# KiCad board Kuniboard.kicad_pcb
title: test; rev: v1.0.0; company: Unknown
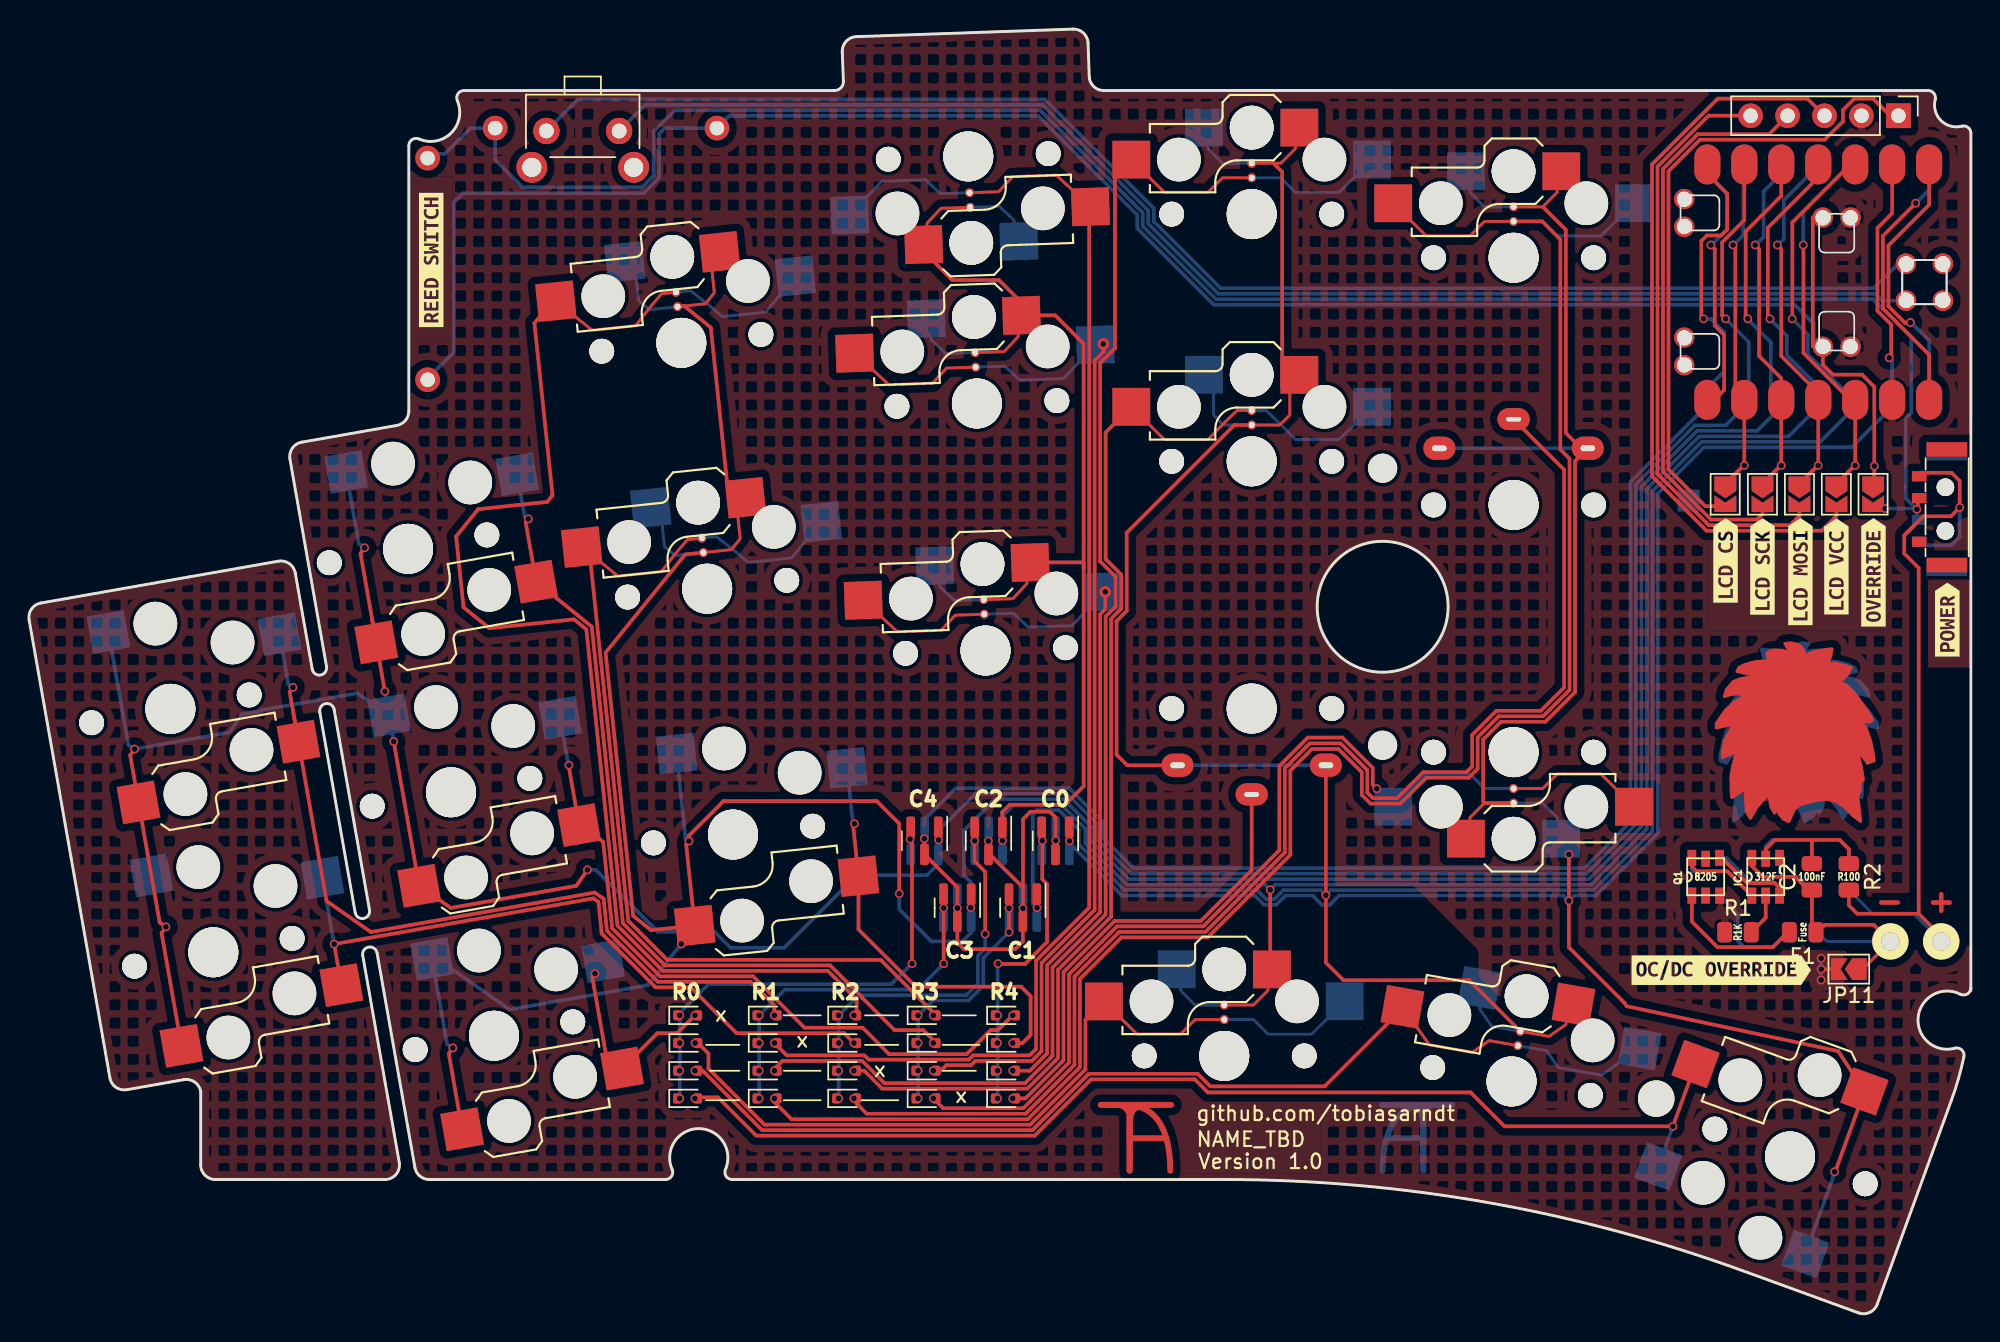
[diagram p0: board, top side]
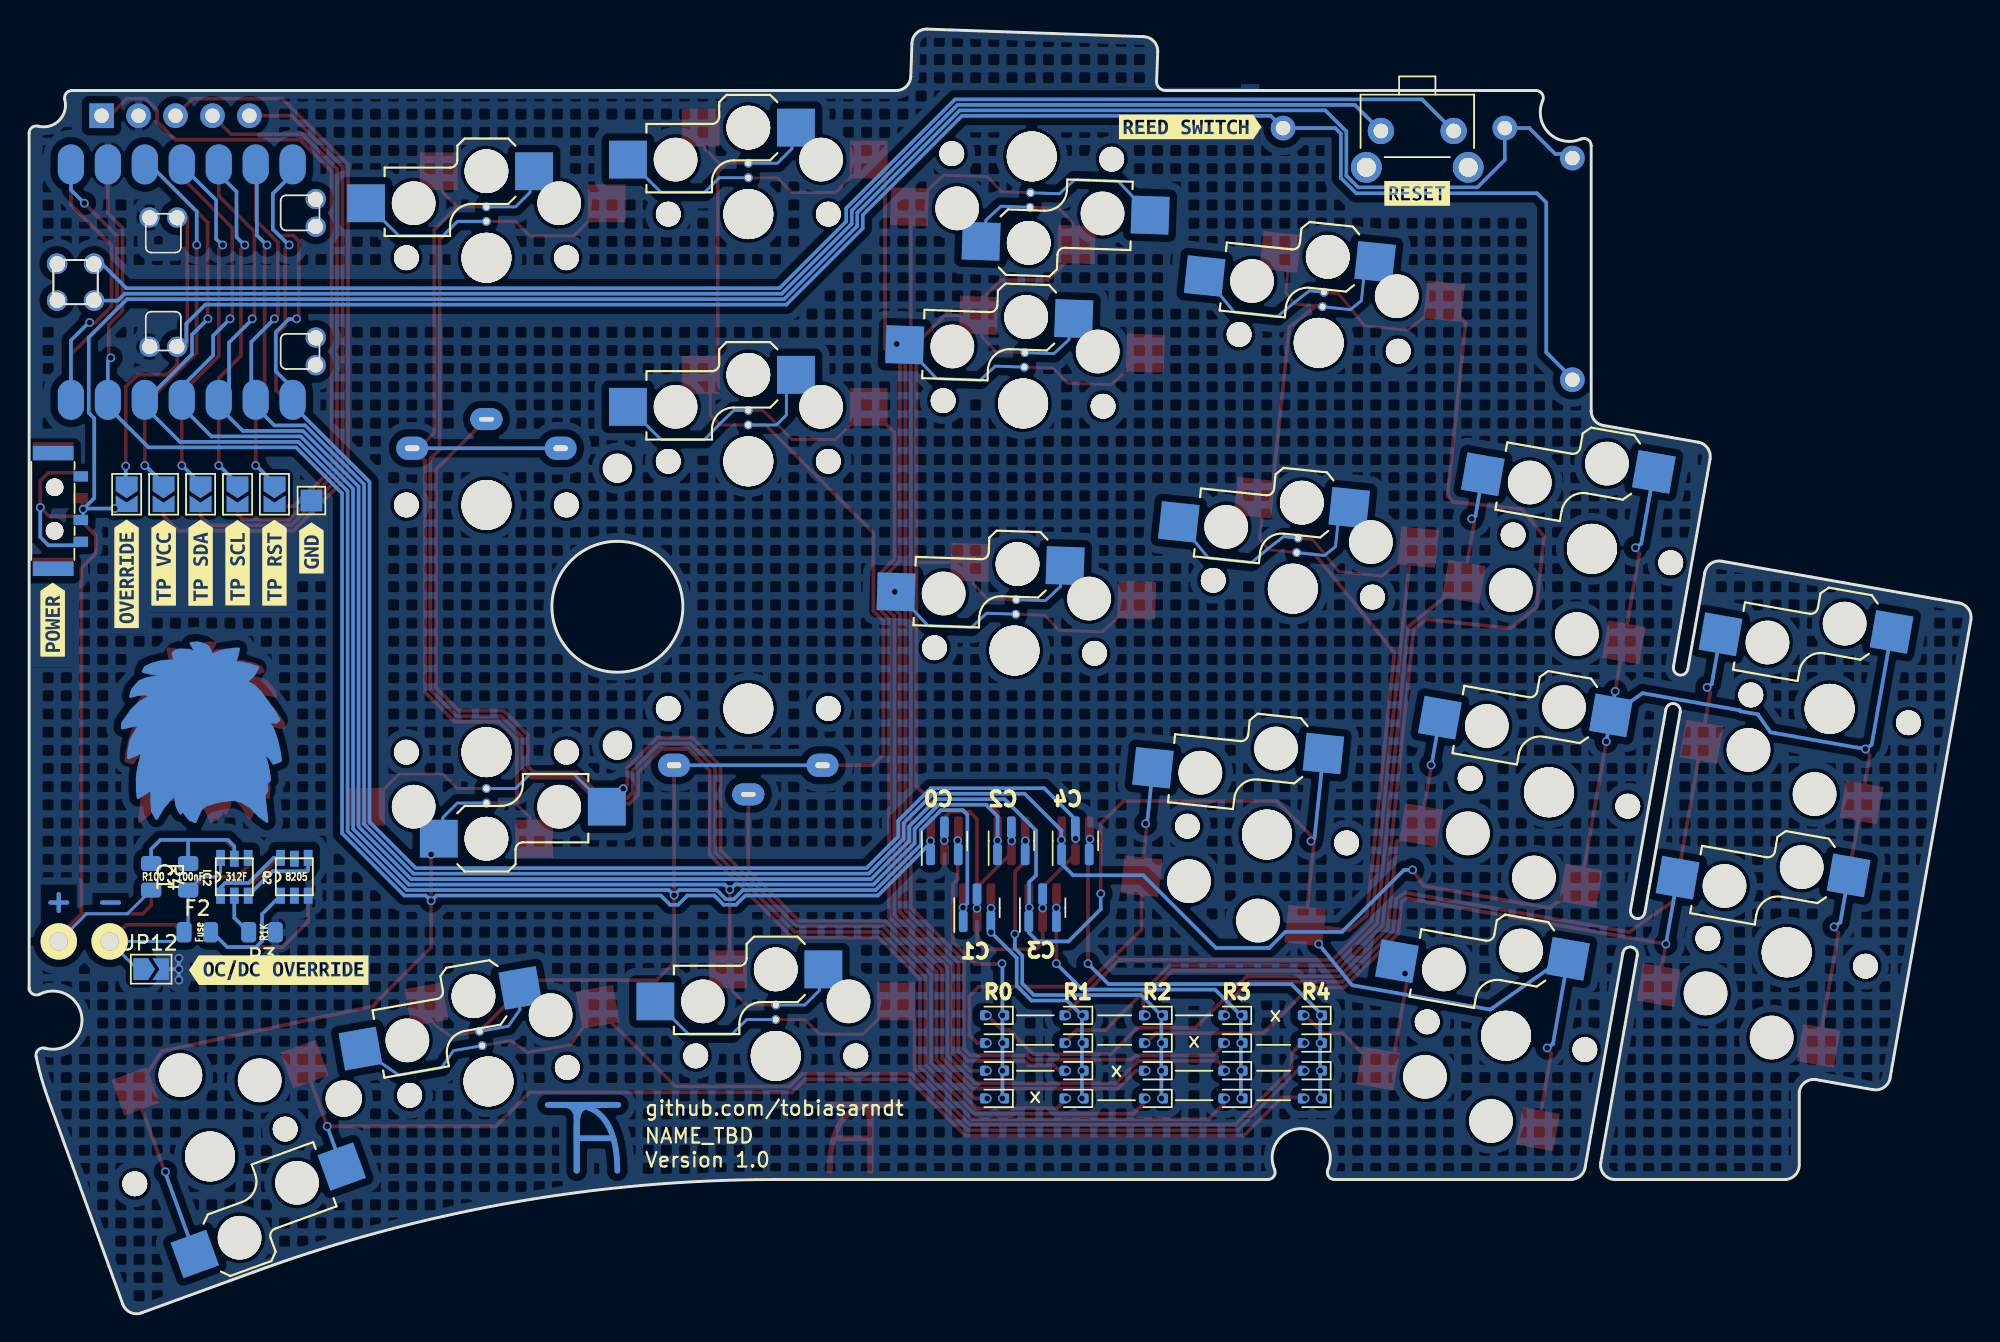
[diagram p1: board, bottom side, seen from below]

Outline 133.46 x 88.29 mm; copper layers: Top, Bottom. Coordinates in mm from the lower left corner of the outline.
Outline path: 93.03,84.06 75.03,84.06 ; 133.46,22.37 arc(133.22,21.94) 132.73,21.92 arc(129.84,20.33) 132.36,18.2 arc(132.84,18.09) 132.98,17.62 arc(132.61,16.13) 132.14,14.66 127.02,0.6 arc(126.51,0.03) 125.74,0 118.12,2.77 arc(100.41,7.56) 82.14,9.17 48.32,9.17 arc(47.9,9.4) 47.86,9.87 arc(46.03,12.67) 44.2,9.87 arc(44.16,9.4) 43.74,9.17 27.5,9.17 arc(26.86,9.41) 26.52,10 23.92,24.75 arc(23.34,25.16) 22.93,24.58 25.44,10.35 arc(25.22,9.53) 24.46,9.17 12.8,9.17 arc(12.09,9.47) 11.8,10.17 11.8,15.23 arc(11.39,15.88) 10.64,16.04 6.71,15.35 arc(5.97,15.52) 5.55,16.16 0,47.66 arc(0.17,48.41) 0.81,48.82 17.13,51.7 arc(17.88,51.53) 18.29,50.89 19.46,44.27 arc(20.04,43.87) 20.44,44.45 17.93,58.72 arc(18.09,59.47) 18.74,59.88 25.27,61.03 arc(25.86,61.37) 26.1,62.02 26.1,80.27 arc(26.32,80.69) 26.8,80.73 arc(29.01,81.15) 29.43,83.36 arc(29.47,83.83) 29.89,84.06 55.36,84.06 arc(55.8,84.25) 55.97,84.69 55.89,86.73 arc(56.16,87.45) 56.85,87.77 71.75,88.29 arc(72.47,88.02) 72.78,87.32 72.86,85.03 arc(73.17,84.34) 73.86,84.06 93.53,84.06 130.53,84.06 arc(130.92,83.87) 131.01,83.44 arc(131.4,82) 132.84,81.61 arc(133.27,81.52) 133.46,81.12 133.46,22.18 ; 19.98,41.32 22.41,27.53 arc(22.99,27.13) 23.4,27.71 20.96,41.49 arc(20.39,41.9) 19.98,41.32
Stack: Top 0.035mm / dielectric 1.51mm FR4 er 4.5 / Bottom 0.035mm

## Placement (name value [footprint] x y rotation side)
BAT+1  +  [BatteryPad]  131.42 25.55 270 top
BATGND1  -  [BatteryPad]  127.93 25.55 270 top
C1  100nF  [0805_plain]  122.53 29.99 90 bottom
C2  100nF  [0805_plain]  122.53 29.99 90 top
D1  1N4148W  [D_SOD-523]  61.64 14.75 0 top
D2  1N4148W  [D_SOD-523]  56.18 14.75 0 top
D3  1N4148W  [D_SOD-523]  50.72 14.75 0 top
D4  1N4148W  [D_SOD-523]  67.1 14.75 0 top
D5  1N4148W  [D_SOD-523]  56.18 16.66 0 top
D6  1N4148W  [D_SOD-523]  50.72 16.66 0 top
D7  1N4148W  [D_SOD-523]  67.1 16.66 0 top
D8  1N4148W  [D_SOD-523]  61.64 16.66 0 top
D9  1N4148W  [D_SOD-523]  50.72 18.56 0 top
D10  1N4148W  [D_SOD-523]  67.1 18.56 0 top
D11  1N4148W  [D_SOD-523]  61.64 20.47 0 top
D12  1N4148W  [D_SOD-523]  56.18 20.47 0 top
D13  1N4148W  [D_SOD-523]  45.26 20.47 0 top
D14  1N4148W  [D_SOD-523]  67.1 20.47 0 top
D15  1N4148W  [D_SOD-523]  61.64 18.56 0 top
D16  1N4148W  [D_SOD-523]  56.18 18.56 0 top
D17  1N4148W  [D_SOD-523]  50.72 20.47 0 top
D18  1N4148W  [D_SOD-523]  45.26 14.75 0 top
D19  1N4148W  [D_SOD-523]  45.26 16.66 0 top
D20  1N4148W  [D_SOD-523]  45.27 18.56 0 top
D21  BAT54A  [SOT-23]  70.55 32.47 90 bottom
D22  1N4148W  [D_SOD-523]  61.64 14.75 0 bottom
D23  1N4148W  [D_SOD-523]  56.18 14.75 0 bottom
D24  1N4148W  [D_SOD-523]  50.72 14.75 0 bottom
D25  1N4148W  [D_SOD-523]  67.1 14.75 0 bottom
D26  BAT54A  [SOT-23]  68.31 27.87 90 bottom
D27  1N4148W  [D_SOD-523]  56.18 16.66 0 bottom
D28  1N4148W  [D_SOD-523]  50.72 16.66 0 bottom
D29  1N4148W  [D_SOD-523]  67.1 16.66 0 bottom
D30  1N4148W  [D_SOD-523]  61.64 16.66 0 bottom
D31  BAT54A  [SOT-23]  65.95 32.47 90 bottom
D32  1N4148W  [D_SOD-523]  50.72 18.56 0 bottom
D33  1N4148W  [D_SOD-523]  67.1 18.56 0 bottom
D34  1N4148W  [D_SOD-523]  61.64 20.47 0 bottom
D35  1N4148W  [D_SOD-523]  56.18 20.47 0 bottom
D36  BAT54A  [SOT-23]  63.8 27.87 90 bottom
D37  1N4148W  [D_SOD-523]  45.26 20.47 0 bottom
D38  1N4148W  [D_SOD-523]  67.1 20.47 0 bottom
D39  1N4148W  [D_SOD-523]  61.64 18.56 0 bottom
D40  1N4148W  [D_SOD-523]  56.18 18.56 0 bottom
D41  1N4148W  [D_SOD-523]  50.72 20.47 0 bottom
D42  BAT54A  [SOT-23]  61.55 32.47 90 bottom
D43  1N4148W  [D_SOD-523]  45.26 14.75 0 bottom
D44  1N4148W  [D_SOD-523]  45.26 16.66 0 bottom
D45  1N4148W  [D_SOD-523]  45.27 18.56 0 bottom
D61  BAT54A  [SOT-23]  70.54 32.47 270 top
D62  BAT54A  [SOT-23]  68.3 27.87 270 top
D63  BAT54A  [SOT-23]  65.94 32.47 270 top
D64  BAT54A  [SOT-23]  63.8 27.87 270 top
D65  BAT54A  [SOT-23]  61.54 32.47 270 top
F1  Polyfuse_Small  [0805_plain]  121.9 26.18 180 top
F2  Polyfuse_Small  [0805_plain]  121.9 26.18 180 bottom
IC1  FS312F-G  [SOT23-6]  119.36 29.99 90 top
IC2  FS312F-G  [SOT23-6]  119.36 29.99 90 bottom
J1  Conn_01x05_Pin  [nice!view]  128.48 82.33 270 top
JP1  Jumper_2_Open  [SolderJumper-2_P1.3mm_Open_TrianglePad1.0x1.5mm]  124.22 56.29 270 top
JP2  Jumper_2_Open  [SolderJumper-2_P1.3mm_Open_TrianglePad1.0x1.5mm]  121.68 56.29 270 top
JP3  Jumper_2_Open  [SolderJumper-2_P1.3mm_Open_TrianglePad1.0x1.5mm]  119.14 56.29 270 top
JP4  Jumper_2_Open  [SolderJumper-2_P1.3mm_Open_TrianglePad1.0x1.5mm]  116.58 56.29 270 top
JP5  Jumper_2_Open  [SolderJumper-2_P1.3mm_Open_TrianglePad1.0x1.5mm]  124.22 56.29 270 bottom
JP6  Jumper_2_Open  [SolderJumper-2_P1.3mm_Open_TrianglePad1.0x1.5mm]  121.68 56.29 270 bottom
JP7  Jumper_2_Open  [SolderJumper-2_P1.3mm_Open_TrianglePad1.0x1.5mm]  119.14 56.29 270 bottom
JP8  Jumper_2_Open  [SolderJumper-2_P1.3mm_Open_TrianglePad1.0x1.5mm]  116.6 56.29 270 bottom
JP9  Jumper_2_Open  [SolderJumper-2_P1.3mm_Open_TrianglePad1.0x1.5mm]  126.74 56.29 270 top
JP10  Jumper_2_Open  [SolderJumper-2_P1.3mm_Open_TrianglePad1.0x1.5mm]  126.76 56.29 270 bottom
JP11  Jumper_2_Open  [SolderJumper-2_P1.3mm_Open_TrianglePad1.0x1.5mm]  125.07 23.64 180 top
JP12  Jumper_2_Open  [SolderJumper-2_P1.3mm_Open_TrianglePad1.0x1.5mm]  125.07 23.64 180 bottom
kibuzzard-655A10F5  G***  [kibuzzard-655A10F5]  124.22 51.34 90 top
kibuzzard-655A11C9  G***  [kibuzzard-655A11C9]  131.84 47.68 90 top
kibuzzard-655A11C9#2  G***  [kibuzzard-655A11C9]  131.84 47.68 90 bottom
kibuzzard-655A11F0  G***  [kibuzzard-655A11F0]  126.76 50.83 90 bottom
kibuzzard-655A12A3  G***  [kibuzzard-655A12A3]  38.05 76.99 180 bottom
kibuzzard-655A12A3#2  G***  [kibuzzard-655A12A3]  38.05 76.99 180 bottom
kibuzzard-655A12CE  G***  [kibuzzard-655A12CE]  27.64 72.41 90 top
kibuzzard-655A110A  G***  [kibuzzard-655A110A]  126.76 50.93 90 top
kibuzzard-655A116B  G***  [kibuzzard-655A116B]  119.14 51.34 90 top
kibuzzard-655A1139  G***  [kibuzzard-655A1139]  121.74 50.98 90 top
kibuzzard-655A1191  G***  [kibuzzard-655A1191]  116.6 51.74 90 top
kibuzzard-655A1214  G***  [kibuzzard-655A1214]  124.22 51.59 90 bottom
kibuzzard-655A1236  G***  [kibuzzard-655A1236]  121.68 51.59 90 bottom
kibuzzard-655A1245  G***  [kibuzzard-655A1245]  119.14 51.59 90 bottom
kibuzzard-655A1252  G***  [kibuzzard-655A1252]  116.6 51.59 90 bottom
kibuzzard-655A1263  G***  [kibuzzard-655A1263]  114.05 52.61 90 bottom
kibuzzard-655A1295  G***  [kibuzzard-655A1295]  53.66 81.55 180 bottom
kibuzzard-6562143D  G***  [kibuzzard-6562143D]  116.31 23.57 180 bottom
kibuzzard-65621300  G***  [kibuzzard-65621300]  116.31 23.57 0 top
NOREF  -  [unnamed]  111.84 14.74 0 top
PSW1  SW_SPDT  [MSK12C02]  131.71 55.28 180 top
PSW2  SW_SPDT  [MSK12C02]  131.71 55.28 180 bottom
Q1  FS8205  [SOT23-6]  115.23 29.99 90 top
Q2  FS8205  [SOT23-6]  115.23 29.99 90 bottom
R1  1k  [0805_plain]  117.45 26.18 0 top
R2  100  [0805_plain]  125.07 29.99 270 top
R3  1k  [0805_plain]  117.45 26.18 0 bottom
R4  100  [0805_plain]  125.07 29.99 270 bottom
REF**  -  [Logo]  73.65 9.78 0 top
REF**#2  -  [Kunibert]  115.55 33.11 0 top
REF**#3  -  [trackpoint]  93.03 48.56 0 bottom
REF**#4  -  [Kunibert]  127.45 33.11 180 bottom
REF**#5  -  [Logo]  97.82 9.78 180 bottom
RSW1  SW_Push  [SKHLLCA010]  38.05 80.03 0 top
RSW2  SW_Push  [SKHLLCA010]  38.05 80.03 180 bottom
SW1  SW_Push_45deg  [Kailh_socket_PG1350_optional_connected]  102.03 38.56 0 bottom
SW2  ~  [Choc_handsolder]  102.03 55.56 180 bottom
SW3  ~  [Kailh_socket_PG1350_optional_connected]  102.03 72.56 180 bottom
SW4  SW_Push_45deg  [Choc_handsolder]  84.03 41.56 0 bottom
SW5  SW_Push_45deg  [Kailh_socket_PG1350_optional_connected_reverse]  84.03 58.56 180 bottom
SW6  SW_Push_45deg  [Kailh_socket_PG1350_optional_connected]  84.03 75.56 180 bottom
SW7  SW_Push_45deg  [Kailh_socket_PG1350_optional_connected]  65.74 45.55 182 bottom
SW8  SW_Push_45deg  [Kailh_socket_PG1350_optional_connected]  65.14 62.54 182 bottom
SW9  SW_Push_45deg  [Kailh_socket_PG1350_optional_connected]  64.55 79.53 2 bottom
SW10  SW_Push_45deg  [Kailh_socket_PG1350_optional]  48.38 32.9 6 bottom
SW11  SW_Push_45deg  [Kailh_socket_PG1350_optional_connected_reverse]  46.6 49.8 186 bottom
SW12  SW_Push_45deg  [Kailh_socket_PG1350_optional_connected_reverse]  44.83 66.71 186 bottom
SW13  SW_Push_45deg  [Kailh_socket_PG1350_optional]  31.95 19.06 10 bottom
SW14  SW_Push_45deg  [Kailh_socket_PG1350_optional]  29 35.8 10 bottom
SW15  SW_Push_45deg  [Kailh_socket_PG1350_optional]  26.05 52.54 10 bottom
SW16  SW_Push_45deg  [Kailh_socket_PG1350_optional]  12.66 24.8 10 bottom
SW17  SW_Push_45deg  [Kailh_socket_PG1350_optional]  9.71 41.54 10 bottom
SW18  SW_Push_45deg  [Kailh_socket_PG1350_optional]  121.03 10.76 160 bottom
SW19  SW_Push_45deg  [Kailh_socket_PG1350_optional_connected]  101.89 15.92 170 bottom
SW20  SW_Push_45deg  [Kailh_socket_PG1350_optional_connected]  82.14 17.67 180 bottom
SW21  ~  [Kailh_socket_PG1350_optional_connected]  102.03 38.56 180 top
SW22  ~  [Choc_handsolder]  102.03 55.56 0 top
SW23  ~  [Kailh_socket_PG1350_optional_connected]  102.03 72.56 0 top
SW24  SW_Push_45deg  [Choc_handsolder]  84.03 41.56 180 top
SW25  SW_Push_45deg  [Kailh_socket_PG1350_optional_connected_reverse]  84.03 58.56 0 top
SW26  SW_Push_45deg  [Kailh_socket_PG1350_optional_connected]  84.03 75.56 0 top
SW27  SW_Push_45deg  [Kailh_socket_PG1350_optional_connected]  65.74 45.55 2 top
SW28  SW_Push_45deg  [Kailh_socket_PG1350_optional_connected]  65.14 62.54 2 top
SW29  SW_Push_45deg  [Kailh_socket_PG1350_optional_connected]  64.55 79.53 182 top
SW30  SW_Push_45deg  [Kailh_socket_PG1350_optional]  48.38 32.9 6 top
SW31  SW_Push_45deg  [Kailh_socket_PG1350_optional_connected_reverse]  46.6 49.8 6 top
SW32  SW_Push_45deg  [Kailh_socket_PG1350_optional_connected_reverse]  44.83 66.71 6 top
SW33  SW_Push_45deg  [Kailh_socket_PG1350_optional]  31.95 19.06 10 top
SW34  SW_Push_45deg  [Kailh_socket_PG1350_optional]  29 35.8 10 top
SW35  SW_Push_45deg  [Kailh_socket_PG1350_optional]  26.05 52.54 10 top
SW36  SW_Push_45deg  [Kailh_socket_PG1350_optional]  12.66 24.8 10 top
SW37  SW_Push_45deg  [Kailh_socket_PG1350_optional]  9.71 41.54 10 top
SW38  SW_Push_45deg  [Kailh_socket_PG1350_optional]  121.03 10.76 160 top
SW39  SW_Push_45deg  [Kailh_socket_PG1350_optional_connected]  101.89 15.92 350 top
SW40  SW_Push_45deg  [Kailh_socket_PG1350_optional_connected]  82.14 17.67 0 top
SW41  SW_Reed_Opener  [Reed_Switch]  39.66 78.94 0 top
SW42  SW_Reed_Opener  [Reed_Switch]  24.85 71.79 270 top
TP1  TestPoint  [TestPoint_Pad_1.5x1.5mm]  114.06 55.86 180 bottom
U1  xiao-ble  [xiao-ble-smd-cutout]  122.97 70.88 270 top
U2  xiao-ble  [xiao-ble-smd-cutout]  122.97 70.88 90 bottom

## Library data of the parts
BAT+1 BATGND1 = -: Description: Mounting Hole with connection
C1 C2 = -: Description: Unpolarized capacitor, small symbol
D1-D20 D22-D25 D27-D30 D32-D35 D37-D41 D43-D45 = -: Description: 75V 0.15A Fast Switching Diode, SOD-123; Sim.Device: D; Sim.Pins: 1=K 2=A
D21 D26 D31 D36 D42 D61-D65 = -: Description: schottky barrier diode
F1 F2 = -: Description: Resettable fuse, polymeric positive temperature coefficient, small symbol
IC1 IC2 = -: Availability: Not in stock; Check_prices: https://www.snapeda.com/parts/FS312F-G/Fortune+Semiconductor/view-part/?ref=eda; MF: Fortune Semiconductor; Package: Package; Price: None; SnapEDA_Link: https://www.snapeda.com/parts/FS312F-G/Fortune+Semiconductor/view-part/?ref=snap
J1 = -: Description: Generic connector, single row, 01x05, script generated
JP1-JP12 = -: Description: Jumper, 2-pole, open
PSW1 PSW2 = -: Description: Switch, single pole double throw
Q1 Q2 = -: Description: Dual N-Channel Enhancement Mode Power MOSFET; Availability: Not in stock; Check_prices: https://www.snapeda.com/parts/FS8205/Fortune+Semiconductor/view-part/?ref=eda; MANUFACTURER: Fortune; MAXIMUM_PACKAGE_HEIGHT: 1.45mm; MF: Fortune Semiconductor; PARTREV: 1.9; Package: Package; Price: None; STANDARD: IPC-7351B; SnapEDA_Link: https://www.snapeda.com/parts/FS8205/Fortune+Semiconductor/view-part/?ref=snap
R1-R4 = -: Description: Resistor, small symbol
RSW1 RSW2 = -: Description: Push button switch, generic, two pins
SW1-SW40 = -: Description: Push button switch, normally open, two pins, 45° tilted
SW41 SW42 = -: Description: reed switch, default-closed
TP1 = -: Description: test point

## Footprints (pads in the part's own frame, mm; a bottom-side part is the same pattern mirrored in y, then rotated)
0805_plain
  rrect 1.025x1.4 smd: 1(-0.912,0) 2(0.912,0)
BatteryPad
  round 2.5 hole 1.25: 1(0,0)
Choc_handsolder
  round 1.702 hole 1.702 unplated: (-5.5,0) (5.5,0)
  round 3.429 hole 3.429 unplated: (0,0)
  oval 2.2x1.6 hole 1x0.4: 1(5.1,3.9)
  oval 2.2x1.5 hole 1x0.3: 2(0,5.9)
D_SOD-523
  rrect 0.6x0.7 smd: 1(-0.7,0) 2(0.7,0)
Kailh_socket_PG1350_optional
  round 1.702 hole 1.702 unplated: (-5.5,0) (5.5,0)
  round 3 hole 3 unplated: (0,5.95) (5,3.75)
  round 3.429 hole 3.429 unplated: (0,0)
  rect 2.6x2.6 smd far side: 1(-3.275,5.95) 2(8.275,3.75)
Kailh_socket_PG1350_optional_connected
  round 1.702 hole 1.702 unplated: (-5.5,0) (5.5,0)
  round 3 hole 3 unplated: (0,5.95) (5,3.75)
  round 3.429 hole 3.429 unplated: (0,0)
  rect 2.6x2.6 smd far side: 1(-3.275,5.95) 2(8.275,3.75)
  custom 3.2x1.7 smd far side: 1(-1.5,3.5)
  round 0.6 hole 0.4: 1(0,3.5) 2(0,2.5)
  custom 8.475x2.45 smd far side: 2(4.5,1.5)
Kailh_socket_PG1350_optional_connected_reverse
  round 1.702 hole 1.702 unplated: (-5.5,0) (5.5,0)
  round 3 hole 3 unplated: (0,5.95) (5,3.75)
  round 3.429 hole 3.429 unplated: (0,0)
  rect 2.6x2.6 smd far side: 1(-3.275,5.95) 2(8.275,3.75)
  custom 2.816x2.867 smd far side: 1(-1.5,2.54)
  round 0.6 hole 0.4: 1(0,2.5) 2(0,3.5)
  custom 8.475x2.45 smd far side: 2(4.5,1.5)
MSK12C02
  round 1.2 hole 1.2 unplated: (0,1.499) (0,-1.499)
  rect 1x0.7 smd: 1(1.8,2.249) 2(1.8,-0.751) 3(1.8,-2.251)
  rect 2.8x1 smd: NC(-0.1,3.849) NC(-0.1,-4.101)
nice!view
  rect 1.7x1.7 hole 1: 1(0,0)
  oval 1.7x1.7 hole 1: 2(0,-2.54) 3(0,-5.08) 4(0,-7.62) 5(0,-10.16)
Reed_Switch
  round 1.7 hole 1: 1(-7.62,2.54) 2(7.62,2.54)
SKHLLCA010
  round 1.8 hole 1: 1(2.5,1.25) 2(-2.5,1.25)
  round 2.1 hole 1.3: GND(-3.5,-1.25) GND(3.5,-1.25)
SolderJumper-2_P1.3mm_Open_TrianglePad1.0x1.5mm
  custom 1.5x1.5 smd: 1(-0.725,0)
  custom 1.15x1.5 smd: 2(0.725,0)
SOT23-6
  rect 1.1x0.6 smd: 1(-1.3,0.95) 2(-1.3,0) 3(-1.3,-0.95) 4(1.3,-0.95) 5(1.24,0) 6(1.3,0.95)
SOT-23
  rrect 1.475x0.6 smd: 1(-0.938,0.95) 2(-0.938,-0.95) 3(0.938,0)
TestPoint_Pad_1.5x1.5mm
  rect 1.5x1.5 smd: 1(0,0)
trackpoint
  round 2 hole 2 unplated: (0,-9.525) (0,9.525)
unnamed
  round 2.5 hole 2.5 unplated: (0,0)
xiao-ble-smd-cutout
  oval 2.75x1.8 smd: 1(-8.57,7.62) 2(-8.57,5.08) 3(-8.57,2.54) 4(-8.57,0) 5(-8.57,-2.54) 6(-8.57,-5.08) 7(-8.57,-7.62) 8(8.57,-7.62) 9(8.57,-5.08) 10(8.57,-2.54) 11(8.57,0) 12(8.57,2.54) 13(8.57,5.08) 14(8.57,7.62)
  round 1.397 hole 1.016: 15(-1.27,8.572) 16(1.27,8.572) 17(-1.27,6.032) 18(1.27,6.032) 19(-4.445,0.317) 20(-4.445,2.222) 21(3.81,-9.208) 22(5.715,-9.208)

## Nets
5V: U1.14 U2.14
GND: J1.2 JP11.2 JP12.2 Q1.3 Q2.3 R1.1 R3.1 TP1.1 U1.13 U1.20 U2.13 U2.20
VCC: JP1.1 JP5.1 U1.12 U2.12
1: U1.1 U2.1
8: U1.8 U2.8
9: JP4.1 JP8.1 U1.9 U2.9
10: JP3.1 JP7.1 U1.10 U2.10
11: JP2.1 JP6.1 U1.11 U2.11
/R0: D4.1 D7.1 D10.1 D14.1 D21.2 D25.1 D29.1 D33.1 D38.1 D61.2
/R1: D1.1 D8.1 D11.1 D15.1 D22.1 D26.2 D30.1 D34.1 D39.1 D62.2
/R2: D2.1 D5.1 D12.1 D16.1 D23.1 D27.1 D31.2 D35.1 D40.1 D63.2
/R3: D3.1 D6.1 D9.1 D17.1 D24.1 D28.1 D32.1 D36.2 D41.1 D64.2
/R4: D13.1 D18.1 D19.1 D20.1 D37.1 D42.2 D43.1 D44.1 D45.1 D65.2
/SW1D: D1.2 D22.2 SW1.2 SW21.2
/SW2D: D2.2 D23.2 SW2.2 SW22.2
/SW3D: D3.2 D24.2 SW3.2 SW23.2
/SW4D: D4.2 D25.2 SW4.2 SW24.2
/SW5D: D5.2 D27.2 SW5.2 SW25.2
/SW6D: D6.2 D28.2 SW6.2 SW26.2
/SW7D: D7.2 D29.2 SW7.2 SW27.2
/SW8D: D8.2 D30.2 SW8.2 SW28.2
/SW9D: D9.2 D32.2 SW9.2 SW29.2
/SW10D: D10.2 D33.2 SW10.2 SW30.2
/SW11D: D11.2 D34.2 SW11.2 SW31.2
/SW12D: D12.2 D35.2 SW12.2 SW32.2
/SW13D: D13.2 D37.2 SW13.2 SW33.2
/SW14D: D14.2 D38.2 SW14.2 SW34.2
/SW15D: D15.2 D39.2 SW15.2 SW35.2
/SW16D: D16.2 D40.2 SW16.2 SW36.2
/SW17D: D17.2 D41.2 SW17.2 SW37.2
/SW18D: D18.2 D43.2 SW18.2 SW38.2
/SW19D: D19.2 D44.2 SW19.2 SW39.2
/SW20D: D20.2 D45.2 SW20.2 SW40.2
BAT: JP9.1 JP10.1 SW41.2 SW42.2 U1.19 U2.19
BAT+: BAT+1.1 PSW1.3 PSW2.3 R2.2 R4.2
BAT-: BATGND1.1 C1.1 C2.1 F1.1 F2.1 IC1.6 IC2.6 JP11.1 JP12.1
BAT_REED: JP9.2 JP10.2 PSW1.2 PSW2.2 SW41.1 SW42.1
C0: D21.1 D61.1 SW1.1 SW2.1 SW3.1 SW18.1 SW21.1 SW22.1 SW23.1 SW38.1 U1.2 U2.2
C1: D26.1 D62.1 SW4.1 SW5.1 SW6.1 SW19.1 SW24.1 SW25.1 SW26.1 SW39.1 U1.3 U2.3
C2: D31.1 D63.1 SW7.1 SW8.1 SW9.1 SW20.1 SW27.1 SW28.1 SW29.1 SW40.1 U1.4 U2.4
C3: D36.1 D64.1 SW10.1 SW11.1 SW12.1 SW13.1 SW30.1 SW31.1 SW32.1 SW33.1 U1.5 U2.5
C4: D42.1 D65.1 SW14.1 SW15.1 SW16.1 SW17.1 SW34.1 SW35.1 SW36.1 SW37.1 U1.6 U2.6
CS: J1.1 JP4.2
INTR: D21.3 D26.3 D31.3 D36.3 D42.3 D61.3 D62.3 D63.3 D64.3 D65.3 U1.7 U2.7
LCD_VCC: J1.3 JP1.2
MOSI: J1.5 JP2.2
OC: IC1.3 Q1.4
OC_B: IC2.3 Q2.4
RST_L: RSW1.2 RSW2.1 U1.17 U2.18
RST_R: RSW1.1 RSW2.2 U1.18 U2.17
SCK: J1.4 JP3.2
TP_RST: JP8.2
TP_SCL: JP7.2
TP_SDA: JP6.2
TP_VCC: JP5.2
Net-(F1-Pad2): F1.2 Q1.1
Net-(F2-Pad2): F2.2 Q2.1
Net-(IC1-CS): IC1.2 R1.2
Net-(IC1-OD): IC1.1 Q1.6
Net-(IC1-VCC): C2.2 IC1.5 R2.1
Net-(IC2-CS): IC2.2 R3.2
Net-(IC2-OD): IC2.1 Q2.6
Net-(IC2-VCC): C1.2 IC2.5 R4.1

Pads without a net: IC1 4; IC2 4; PSW1 1 NC; PSW2 1 NC; Q1 2 5; Q2 2 5; RSW1 GND; RSW2 GND; U1 15 16 21 22; U2 15 16 21 22

## Via types
v1: diameter 0.6, hole 0.4, Top to Bottom, 107 vias
v2: diameter 0.8, hole 0.4, Top to Bottom, 2 vias

## Routing (per net, layer and track width the routed paths; a pad name or vN(x,y) marks a point on that pad's centre or on a via; arc(x,y) is an arc through that point)
5V: length 19.8
  Top w0.25: U1.14 130.59,65.89 127.42,69.06 127.42,74.06 v1(129.67,76.31)
  Bottom w0.25: v1(129.67,76.31) 130.59,77.23 U2.14
GND: length 4.4
  Top w0.25: 125.47,66.44 125.19,66.44 ; U1.20 125.47,75.33 ; v1(123.17,23.64) JP11.2
  Bottom w0.25: v1(123.17,22.89) v1(123.17,23.64) ; v1(123.17,23.64) JP11.2 ; v1(123.17,23.64) v1(123.17,24.39)
VCC: length 27.4
  Top w0.25: 125.51,62.46 121.95,66.01 121.95,73.42 ; U1.12 v1(125.51,58.27) 125.47,58.27 JP1.1
  Bottom w0.25: 125.51,79.31 121.94,75.75 121.94,73.45 ; v1(125.51,58.27) 125.47,58.27 JP1.1
  vias: v1(121.94,73.44)
1: length 19.7
  Top w0.25: 129.32,68.09 128.92,68.09 127.79,69.22 127.79,73.41 130.59,76.2 U1.1
  Bottom w0.25: 129.32,68.09 129.37,68.09 130.59,66.87 U2.1
  vias: v1(129.3,68.11)
8: length 19
  Top w0.25: U1.8 116.5,63.47 116.5,67.25 115.86,67.9 115.86,73.17 115.6,73.42
  Bottom w0.25: 115.6,73.42 116.71,74.53 116.71,76.97 115.35,78.33 U2.8
  vias: v1(115.59,73.44)
9: length 24.5
  Top w0.25: JP4.1 117.83,58.27 v1(117.89,58.27) U1.9 ; 117.27,62.93 117.27,73.28 117.13,73.42
  Bottom w0.25: 117.13,73.42 117.81,74.11 117.81,79.38 ; JP8.1 117.85,58.27 v1(117.89,58.27)
  vias: v1(117.11,73.44)
10: length 26.3
  Top w0.25: 118.65,73.42 118.9,73.17 118.9,65.8 120.43,64.28 U1.10 v1(120.43,58.27) 120.39,58.27 JP3.1
  Bottom w0.25: U2.10 120.43,78.33 119.21,77.11 119.21,73.98 118.65,73.42 ; JP3.1 120.39,58.27 v1(120.43,58.27)
  vias: v1(118.64,73.44)
11: length 26.1
  Top w0.25: 120.17,73.42 120.43,73.17 120.43,65.8 122.97,63.26 U1.11 v1(122.97,58.27) 122.93,58.27 JP2.1
  Bottom w0.25: 120.17,73.42 120.61,73.86 120.61,76.53 122.26,78.18 122.26,78.75 ; v1(122.97,58.27) 122.93,58.27 JP2.1
  vias: v1(120.16,73.44)
/R0: length 21.3
  Top w0.25: D61.2 69.64,33.36 69.64,29.83 69.96,29.5 69.96,25.51 68.45,24 66.62,24 v1(66.6,24.02)
  Bottom w0.25: v1(66.56,14.75) v1(66.56,20.47) 66.56,23.99 v1(66.6,24.02)
  vias: v1(66.56,18.56) v1(66.56,16.66) v1(69.64,32.48)
/R1: length 19
  Top w0.25: v1(67.35,26.18) v1(67.35,27.83) D62.2
  Bottom w0.25: v1(67.35,27.83) 67.36,27.82 D26.2 ; v1(61.1,14.75) v1(61.1,20.47) 62.12,21.48 64.56,21.48 65.58,22.5 65.58,24.41 v1(67.35,26.18)
  vias: v1(61.1,18.56) v1(61.1,16.66)
/R2: length 28.4
  Top w0.25: D63.2 v1(64.99,32.46) 64.99,31.05 65.71,30.33 v1(65.71,26.05)
  Bottom w0.25: v1(64.99,32.46) 65,32.45 D31.2 ; v1(65.71,26.05) 65.71,25.07 65.2,24.57 65.2,22.65 64.41,21.86 57.03,21.86 v1(55.64,20.47) v1(55.64,14.75)
  vias: v1(55.65,18.56) v1(55.64,16.66)
/R3: length 25.6
  Top w0.25: v1(62.86,24.02) v1(62.86,27.84) 62.86,28.8 D64.2
  Bottom w0.25: D36.2 62.85,27.83 v1(62.86,27.84) ; v1(62.86,24.02) 61.07,22.24 51.95,22.24 v1(50.18,20.47) v1(50.18,14.75)
  vias: v1(50.18,18.56) v1(50.18,16.66)
/R4: length 34
  Top w0.25: 60.68,32.45 v1(60.55,32.58) ; 60.68,32.45 v1(60.68,24.02) ; 60.68,32.45 v1(60.55,32.58) ; v1(60.55,32.58) 60.59,32.62 D65.2
  Bottom w0.25: v1(44.72,20.47) 44.72,18.57 v1(44.73,18.56) 44.73,16.66 v1(44.72,16.66) v1(44.72,14.75) ; v1(60.55,32.58) 60.6,32.53 D42.2 ; v1(60.68,24.02) 59.27,22.61 46.71,22.61 D13.1
/SW1D: length 52
  Top w0.25: D1.2 62.34,14.56 62.83,14.08 68.33,14.08 71.47,17.22 71.47,23.28 74.77,26.58 80.7,26.58 85.93,31.82 85.93,37.61 87.89,39.57 90.27,39.57 92.35,37.49 92.35,36.33 v1(92.63,36.05)
  Bottom w0.25: v1(92.63,36.05) 92.63,35.93 SW21.2
  vias: v1(62.14,14.75)
/SW2D: length 93.5
  Top w0.25: D2.2 56.88,14.38 57.57,13.7 68.49,13.7 71.85,17.06 71.85,23.13 74.92,26.2 80.85,26.2 86.31,31.66 86.31,37.45 88.02,39.16 90.14,39.16 91.97,37.33 91.97,35.78 92.36,35.4 94.03,35.4 95.83,37.19 98.8,37.19 99.18,37.57 99.18,39.74 100.85,41.41 103.91,41.41 105.5,43 105.5,57.99 SW22.2
  vias: v1(56.68,14.75)
/SW3D: length 114.8
  Top w0.25: SW23.2 104,75.06 105.24,73.82 105.24,59.38 105.88,58.74 105.88,42.85 104.06,41.03 101.01,41.03 99.56,39.58 99.56,37.42 98.95,36.81 96.03,36.81 94.24,35.02 92.2,35.02 91.6,35.62 91.6,37.17 89.99,38.79 88.18,38.79 86.69,37.3 86.69,31.51 81.01,25.83 75.08,25.83 72.23,22.97 72.23,16.9 68.65,13.32 52.4,13.32 51.22,14.5 v1(51.22,14.75)
/SW4D: length 31.7
  Top w0.25: v1(67.6,14.75) 68.48,14.75 71.1,17.37 71.1,23.44 74.61,26.96 80.54,26.96 84.03,30.45 SW24.2
/SW5D: length 63.4
  Top w0.25: SW5.2 73.99,60.55 73.99,51.84 75.06,50.77 75.06,48.43 74.37,47.73 74.37,27.24 70.72,23.6 70.72,17.53 68.62,15.43 58.63,15.43 57.4,16.66 v1(56.68,16.66) D5.2 ; SW25.2 84.03,61.99
/SW6D: length 84.1
  Top w0.25: 74.63,78.19 74.63,66.34 73.61,65.32 73.61,51.69 74.68,50.61 74.68,48.59 73.99,47.89 73.99,27.4 70.34,23.75 70.34,17.68 68.46,15.8 58.78,15.8 57.26,17.33 51.78,17.33 51.22,16.77 v1(51.22,16.66)
/SW7D: length 36.3
  Top w0.25: v2(73.96,49.59) 73.96,48.39 73.61,48.05 73.61,27.56 69.97,23.91 69.97,17.84 68.78,16.66 v1(67.6,16.66)
/SW8D: length 58.2
  Top w0.25: 62.66,16.66 63.04,17.04 64.75,17.04 65.04,17.33 68.92,17.33 69.59,18 69.59,24.07 73.24,27.71 73.24,65.48 73.87,66.11 73.87,66.6 v2(73.83,66.63)
  Bottom w0.25: 73.51,66.63 73.83,66.63 v2(73.83,66.63)
  vias: v1(62.14,16.66)
/SW9D: length 77.8
  Top w0.25: v1(51.22,18.56) 52.07,17.71 57.41,17.71 57.7,17.42 64.59,17.42 64.88,17.71 68.77,17.71 69.21,18.15 69.21,24.22 72.86,27.87 72.86,75.59 72.8,75.65
/SW10D: length 28.9
  Top w0.25: D10.2 68.28,18.56 68.83,19.11 68.83,21.78 68.18,22.43 60.94,22.43 57,26.37 SW10.2 56.64,33.53 v1(56.72,33.64)
  Bottom w0.25: SW30.2 56.61,33.73 v1(56.72,33.64)
  vias: v1(67.6,18.56)
/SW11D: length 50.1
  Top w0.25: D11.2 58.53,24.28 43.86,24.28 41.18,26.96 38.54,52.05 37.75,52.69
  vias: v1(62.14,20.47)
/SW12D: length 75.9
  Top w0.25: 35.98,69.6 34.73,68.06 35.97,56.22 35.61,55.77 30.87,55.27 29.35,53.4 29.86,48.52 31.63,47.08 37.45,47.7 38.3,47.01 40.44,26.63 43.55,23.52 54.9,23.52 56.88,21.54 D12.2
  vias: v1(56.68,20.47)
/SW13D: length 13.2
  Top w0.25: v1(45.76,20.47) 44.53,19.24 43.18,19.24 SW13.2 ; v1(38.89,23.34) 38.71,23.08 39.82,16.8
/SW14D: length 47.5
  Top w0.25: v1(37.1,37.67) 37.08,37.64 SW14.2 ; 38.03,33.54 39.46,32.38 40.08,26.44 43.37,23.14 49.76,23.14 53.3,19.61 57.29,19.61 59.11,17.79 64.43,17.79 66.09,19.45 66.59,19.45 v1(67.6,20.47)
  Bottom w0.25: SW34.2 37.07,37.7 v1(37.1,37.67)
/SW15D: length 58.1
  Top w0.25: v1(34.31,54.6) 34.13,54.34 SW15.2 38.67,47.19 40.82,26.79 43.71,23.9 55.06,23.9 57.26,21.7 57.26,21.67 59.48,19.45 61.45,19.45 D15.2
  Bottom w0.25: v1(34.31,54.6) 34.06,54.78 SW35.2
  vias: v1(62.14,18.56)
/SW16D: length 48.7
  Top w0.25: SW16.2 v1(20.97,25.36) 38.79,28.51 39.13,28.27 39.34,26.25 39.33,26.23 39.36,26.07 39.47,25.99 43.06,22.39 45.47,22.39 48.63,19.24 56.02,19.24 v1(56.69,18.56)
  Bottom w0.25: v1(20.97,25.36) SW36.2
/SW17D: length 57.6
  Top w0.25: v1(18.13,43.02) 17.91,42.7 SW17.2 ; SW17.2 18.14,41.38 ; SW17.2 20.44,28.32 23.49,26.19 38.88,28.91 39.49,28.48 39.49,28.47 39.72,26.27 43.22,22.77 49.61,22.77 51.22,21.15 v1(51.22,20.47)
  Bottom w0.25: v1(18.13,43.02) 17.81,43.24 SW37.2
/SW18D: length 78.8
  Top w0.25: v1(45.76,14.75) 45.84,14.83 47.34,14.83 49.98,12.19 69.11,12.19 72.99,16.07 80.11,16.07 81.02,15.16 99.08,15.16 101.41,12.83 v1(112.98,12.83) SW18.2
  Bottom w0.25: v1(112.98,12.83) SW38.2
/SW19D: length 54.3
  Top w0.25: D19.2 46.3,16.66 50.39,12.57 68.96,12.57 72.83,16.44 80.32,16.44 81.18,15.58 89.04,15.58 94.39,20.93
  vias: v1(45.76,16.66)
/SW20D: length 36.6
  Top w0.25: 45.81,18.56 v1(45.77,18.56) D20.2 46.69,17.84 46.69,16.8 50.54,12.94 68.8,12.94 72.6,16.75 72.6,20.16 SW20.2
BAT: length 141.7
  Top w0.25: 123.28,75.33 122.59,75.33 122.59,66.48 123.24,66.48 123.28,66.44 123.28,65.21 123.98,64.52 125.98,64.52 126.82,63.68 v1(126.82,58.24) 126.82,57.11
  Bottom w0.25: 27.59,64.46 29.19,66.06 29.19,76.36 29.82,76.99 42.25,76.99 43.3,78.05 43.3,81.09 43.69,81.48 SW41.2 48.12,82.32 69.34,82.32 76.17,75.49 76.17,74.58 81.42,69.34 121.35,69.34 122.66,68.03 122.66,66.79 123,66.44 123.28,66.44 ; v1(126.82,58.24) 126.82,57.52
BAT+: length 58.6
  Top w0.25: 129.81,57.53 130.06,57.77 132.13,57.77 132.69,57.21 v1(132.69,55.39) 132.09,54.78 130.2,54.78 128.98,53.57 ; 129.87,27.45 125.65,27.45 125.07,28.02 R2.2 ; 129.87,27.45 131.42,25.9 BAT+1.1 ; 129.87,27.45 129.87,51.23 128.88,52.22 128.88,53.47 129.53,54.11
  Bottom w0.2: BAT+1.1 129.52,27.45 126.7,27.45 R2.2
  Bottom w0.25: 129.81,53.08 130.1,52.79 132.13,52.79 132.69,53.35 v1(132.69,55.39)
BAT-: length 31.9
  Top w0.2: 122.33,29.04 122.53,29.04 ; BATGND1.1 126.02,23.64 JP11.1 ; 122.53,26.57 122.92,26.18
  Top w0.25: BATGND1.1 126.78,26.69 123.43,26.69 122.92,26.18 ; IC1.6 118.41,30.73 119.15,29.99 121.38,29.99 122.33,29.04 ; 122.53,29.04 122.53,26.57
  Bottom w0.2: JP11.1 126.02,23.64 BATGND1.1 123.56,25.55 122.53,26.57 122.53,29.04 121.58,29.99 120.63,29.99 120.31,30.31 IC2.6
BAT_REED: length 134.5
  Top w0.25: v1(127.58,55.31) 127.32,55.57 JP9.2 ; 129.81,56.03 129.81,55.32
  Bottom w0.25: JP10.2 127.01,55.31 v1(127.58,55.31) ; v1(129.75,55.26) 128.98,56.03 128.98,61.52 129.36,61.9 129.36,67.08 126.73,69.71 81.57,69.71 76.55,74.74 76.55,75.65 69.5,82.7 44.37,82.7 42.93,81.25 42.93,78.21 42.12,77.4 33.92,77.4 32.04,79.28 SW41.1 30.35,81.48 28.57,79.7 27.59,79.7 ; v1(129.75,55.26) 129.75,54.69 PSW2.2 ; v1(129.75,55.26) 129.7,55.31 v1(127.58,55.31) ; v1(127.58,55.31) 127.41,55.48
C0: length 207.9
  Top w0.25: v1(105.83,31.53) v1(105.83,28.34) 105.83,25.14 109.64,21.33 109.79,21.09 124.34,18 SW18.1 124.14,9.72 v1(124.09,9.7) ; 104.04,76.06 105.62,74.49 105.62,60.51 106.67,59.46 SW22.1 106.25,58.59 106.25,42.69 104.22,40.65 101.16,40.65 99.94,39.43 99.94,35.17 100.04,35.06 SW21.1 ; D61.1 71.5,33.39 v1(71.5,32.45) ; U1.2 128.05,75.62 127.04,74.61 127.04,68.91 127.98,67.97 127.98,65.81 v1(127.84,65.68)
  Bottom w0.25: SW2.1 SW22.1 ; v1(71.5,32.45) 71.5,32.32 75.12,28.7 84.24,28.7 84.87,28.07 85.73,28.07 86.36,28.7 88.22,28.7 88.86,28.07 89.4,28.07 90.04,28.7 105.47,28.7 v1(105.83,28.34) 106.19,28.7 107.67,28.7 111.95,32.98 111.95,56.36 115.11,59.52 125.25,59.52 U2.2 128.05,65.47 v1(127.84,65.68) ; SW38.1 124.11,9.65 v1(124.09,9.7)
C1: length 203.9
  Top w0.25: 125.51,79.31 121.19,74.99 121.19,68.34 ; SW25.1 82.84,61.06 75.44,53.66 75.44,48.27 74.74,47.58 74.74,38.39 75.47,37.66 SW24.1 ; SW6.1 86.12,78.47 86.12,63.61 ; 69.27,28.01 69.25,28.03 D62.1 ; SW39.1 98.98,22.88 90.34,22.88 89.13,24.09 v1(89.13,28.72) SW4.1
  Bottom w0.25: 69.27,28.01 69.27,26.94 D26.1 69.26,27.85 ; 125.51,62.68 122.26,65.93 122.26,67.27 v1(121.18,68.36) ; v1(69.27,27.87) 68.98,28.17 68.98,34.26 69.29,34.57 70.79,34.57 72.16,33.2 72.16,32.2 75.28,29.08 84.4,29.08 85.03,28.45 85.57,28.45 86.2,29.08 88.77,29.08 v1(89.13,28.72) 89.49,29.08 107.51,29.08 111.57,33.14 111.57,56.52 114.95,59.9 123.09,59.9 U2.3 ; SW24.1 SW4.1
C2: length 172.6
  Top w0.25: 66.9,33.41 v1(66.9,32.48) ; 72.48,51.19 72.48,66.65 70.53,68.6 SW8.1 68.21,69.48 66.66,71.03 63.45,71.03 61.48,72.99 SW9.1 ; 72.48,51.19 72.48,36.22 71.2,34.94 67.39,34.94 66.88,34.44 66.88,33.41 D63.1 ; 72.48,51.19 72.48,51.58 72.45,51.61 SW7.1 ; v1(85.3,29.1) 85.3,23.74 SW20.1 ; U1.4 122.97,78.09 119.5,74.62 119.5,68.51 119.67,68.34
  Bottom w0.25: 107.36,29.46 85.65,29.46 v1(85.3,29.1) 84.95,29.46 75.43,29.46 72.6,32.29 72.6,33.3 70.95,34.95 67.7,34.95 66.9,34.15 v1(66.9,32.48) 66.9,31.53 D31.1 ; 107.36,29.46 107.45,29.55 ; 107.36,29.46 107.45,29.55 ; 119.67,68.34 120.81,67.2 120.81,65.85 122.97,63.7 U2.4 120.93,60.28 114.8,60.28 111.2,56.67 111.2,33.29 107.45,29.55
  vias: v1(119.65,68.36)
C3: length 235.4
  Top w0.25: SW10.1 42.74,26.32 41.52,27.31 39.62,45.4 45.09,52.16 SW31.1 ; SW10.1 45.16,32.21 v1(45.36,32.45) 45.36,32.83 47.72,35.2 58.26,35.2 59.8,33.65 v1(59.8,28.83) ; SW10.1 45.76,26.52 v1(44.82,25.37) ; v1(29.12,18.22) 28.84,17.83 SW13.1 ; SW32.1 45.02,69.24 46.85,67.76 47.97,57.09 SW11.1 ; U1.5 120.43,76.82 117.98,74.37 117.98,68.51 v1(118.13,68.36) ; D64.1 64.72,28.78 v1(64.72,27.87)
  Bottom w0.25: U2.5 118.77,60.65 114.64,60.65 110.82,56.83 110.82,33.45 107.2,29.83 75.59,29.83 72.98,32.45 72.98,33.45 71.1,35.33 66.41,35.33 64.25,33.17 64.25,30.1 64.72,29.62 v1(64.72,27.87) 64.75,27.85 D36.1 64.75,26.15 64.14,25.55 62.02,25.55 59.8,27.77 v1(59.8,28.83) ; v1(118.13,68.36) 118.13,68.32 119.72,66.73 119.72,63.03 ; SW30.1 45.12,32.64 v1(45.36,32.45) ; v1(44.82,25.37) 42.53,22.54 33.03,20.86 27.97,24.4 SW33.1 28.72,18.5 v1(29.12,18.22)
C4: length 232.3
  Top w0.25: SW15.1 22.78,52.22 v1(23.06,52.62) ; 23.56,47.77 v1(24.45,42.74) ; v1(7.25,38.78) 6.95,38.35 8.97,26.85 v1(9.4,26.55) 9.1,26.12 SW16.1 ; U1.6 117.89,75.15 116.36,73.62 116.36,68.6 116.62,68.34 ; v1(38.37,30.47) 37.61,29.37 28.98,27.85 SW14.1 v1(25.06,39.29) ; v1(62.51,32.52) 62.51,33.38 D65.1
  Bottom w0.25: v1(116.6,68.36) 118.19,66.77 118.19,62.62 ; v1(23.06,52.62) 22.66,52.9 SW35.1 ; SW37.1 6.82,39.08 v1(7.25,38.78) 13.78,39.93 14.64,41.16 15.84,41.37 15.89,41.44 22.56,42.62 SW34.1 ; SW36.1 8.97,26.85 v1(9.4,26.55) ; v1(25.06,39.29) SW34.1 ; SW34.1 v1(24.45,42.74) ; v1(38.37,30.47) 38.96,30.47 43.22,26.2 47.12,26.2 48.23,25.1 51.89,25.1 56.89,30.1 61.71,30.1 62.5,30.89 62.5,32.51 v1(62.51,32.52) 62.51,33.18 65.04,35.71 71.33,35.71 73.35,33.68 73.35,32.6 75.75,30.21 107.05,30.21 110.44,33.61 110.44,56.99 114.48,61.03 116.6,61.03 U2.6
CS: length 43.5
  Top w0.25: 116.48,55.48 115.2,55.48 112.68,58 112.68,78.52 114.84,80.68 123.41,80.68 124.67,81.94 124.67,82.72 125.45,83.5 126.74,83.5 127.82,82.42
INTR: length 140.1
  Top w0.25: v1(61.53,32.61) 61.53,31.54 63.8,29.27 63.8,25.47 64.27,25 64.28,25.01 67.76,25.01 68.3,25.55 D62.3 ; 68.31,29.25 68.31,33.96 68.82,34.47 70.16,34.47 70.54,34.08 D61.3 70.56,31.55 v1(70.56,32.49) ; 68.31,29.25 v1(68.31,27.82) ; 68.31,29.25 66.03,31.53 D63.3 65.94,31.53 65.94,32.61 ; 115.09,68.34 114.93,68.51 114.93,73.71 115.32,74.09 116.3,74.09 116.71,74.5 116.71,76.95 115.35,78.32 U1.7
  Bottom w0.25: 65.94,32.47 v1(65.93,32.46) ; D26.3 v1(68.31,27.82) ; 61.55,32.63 v1(61.53,32.61) ; 115.09,68.34 115.6,68.34 116.51,67.44 116.51,64.75 115.35,63.59 U2.7 115.24,62.31 110.06,57.14 110.06,33.76 106.89,30.59 75.9,30.59 73.73,32.76 73.73,33.84 71.49,36.08 63.69,36.08 61.55,33.94 D42.3 ; D31.3 65.95,32.62 ; D36.3 v1(63.8,27.84) ; D21.3 70.55,32.5 v1(70.56,32.49)
  vias: v1(115.08,68.36)
LCD_VCC: length 51.1
  Top w0.25: J1.3 122.22,83.5 116.06,83.5 111.55,78.98 111.55,57.54 115.29,53.79 123.2,53.79 124.22,54.81 JP1.2
MOSI: length 41.2
  Top w0.25: JP2.2 121.68,54.81 121.04,54.17 115.44,54.17 111.92,57.69 111.92,78.83 115.42,82.33 J1.5
OC: length 5.5
  Top w0.25: IC1.3 120.31,29.24 119.98,29.57 118.07,29.57 116.34,31.29 Q1.4
OC_B: length 5.7
  Bottom w0.25: Q2.4 114.28,30.44 114.36,30.37 116.73,30.37 IC2.3
RST_L: length 101
  Bottom w0.25: RSW1.2 37.72,83.45 69.81,83.45 77.3,75.96 77.3,75.05 81.88,70.47 126.78,70.47 128.47,72.15 U1.17
RST_R: length 95.3
  Bottom w0.25: U1.18 127.36,69.61 126.89,70.09 81.73,70.09 76.92,74.89 76.92,75.81 69.66,83.07 42.35,83.07 RSW1.1
SCK: length 39.9
  Top w0.25: JP3.2 119.14,54.93 118.76,54.55 115.6,54.55 112.3,57.85 112.3,78.67 114.69,81.06 119.59,81.06 J1.4
Net-(F1-Pad2): length 9.5
  Top w0.25: 120.87,26.18 119.85,25.16 116.04,25.16 114.28,26.91 Q1.1
Net-(F2-Pad2): length 7.7
  Bottom w0.25: Q2.1 117.45,27.42 117.45,25.57 117.86,25.16 119.85,25.16 120.87,26.18
Net-(IC1-CS): length 2.9
  Top w0.25: R1.2 119.36,27.17 IC1.2
Net-(IC1-OD): length 5.6
  Top w0.25: Q1.6 114.28,30.69 114.61,30.37 116.73,30.37 IC1.1
Net-(IC1-VCC): length 9.5
  Top w0.25: R2.1 125.07,31.9 124.44,32.53 122.53,32.53 ; 122.53,32.53 119.99,32.53 119.36,31.9 IC1.5 ; 122.53,32.53 122.53,30.94
Net-(IC2-CS): length 2.9
  Bottom w0.25: IC2.2 119.36,27.17 R3.2
Net-(IC2-OD): length 5.5
  Bottom w0.25: IC2.1 120.31,29.24 119.98,29.57 118.38,29.57 116.65,31.29 Q2.6
Net-(IC2-VCC): length 9.5
  Bottom w0.25: 122.53,32.53 119.8,32.53 119.36,32.09 119.36,31.29 ; 122.53,32.53 122.53,30.94 ; 122.53,32.53 124.44,32.53 125.07,31.9 R4.1

## Copper pours and planes (outline as drawn; the poured copper is in the pictures)
GND on Top: 115.45,46.91 127.89,46.91 127.89,54.79 130.18,54.79 130.18,44.37 133.99,44.37 133.99,55.55 115.45,55.55
GND on Top: 73.28,13.89 74.3,13.89 74.3,9.57 88.78,9.57 88.78,13.13 98.18,13.13 98.18,15.16 80.9,15.16 79.89,16.18 73.28,16.18
GND on Top: 29.09,78.15 29.09,66.98 26.17,66.98 26.17,78.15
GND on Top, Bottom: 122.08,24.66 122.82,23.57 122.53,22.5 110.09,22.5 110.09,24.66
GND on Top, Bottom: -0.97,130.56 -0.97,-59.44 149.03,-59.44 149.03,130.56
GND on Bottom: 112.91,56.82 112.91,50.47 115.19,50.47 115.19,48.18 125.35,48.18 125.35,46.66 127.89,46.66 127.89,55.04 130.43,55.04 130.43,44.37 134.24,44.37 134.24,55.29 114.31,55.61 114.18,57.07
GND on Bottom: 48.9,84.5 48.9,80.44 59.06,80.44 59.06,84.25 50.17,84.25 50.17,84.5

## Text on the board
Bottom: - | +
B.Mask: - | +
B.Silkscreen: R1K | Fuse | 8205 | 312F | 100nF | R100 | x | github.com/tobiasarndt | Version 1.0 | NAME_TBD | C4 | C3 | C2 | C1 | C0 | R4 | R3 | R2 | R1 | R0
Top: - | +
F.Mask: - | +
F.Silkscreen: 8205 | 312F | 100nF | R100 | R1K | Fuse | github.com/tobiasarndt | NAME_TBD | Version 1.0 | x | R0 | R1 | R2 | C4 | R3 | C3 | R4 | C2 | C1 | C0
